# Altium PCB BLDC-2020.PcbDoc (part 2 of 2)
Units mil, origin at the board's own origin, x right, y up, seen from the top; angles counter-clockwise.
Board outline 6000 x 4500 mil, 4 copper layers (Top Layer, GND, Power, Bottom Layer), stack 26.468 mil thick; 199 components, 140 nets, 710 pads, 654 vias.
Unrouted connection lines stored in the file: 245.
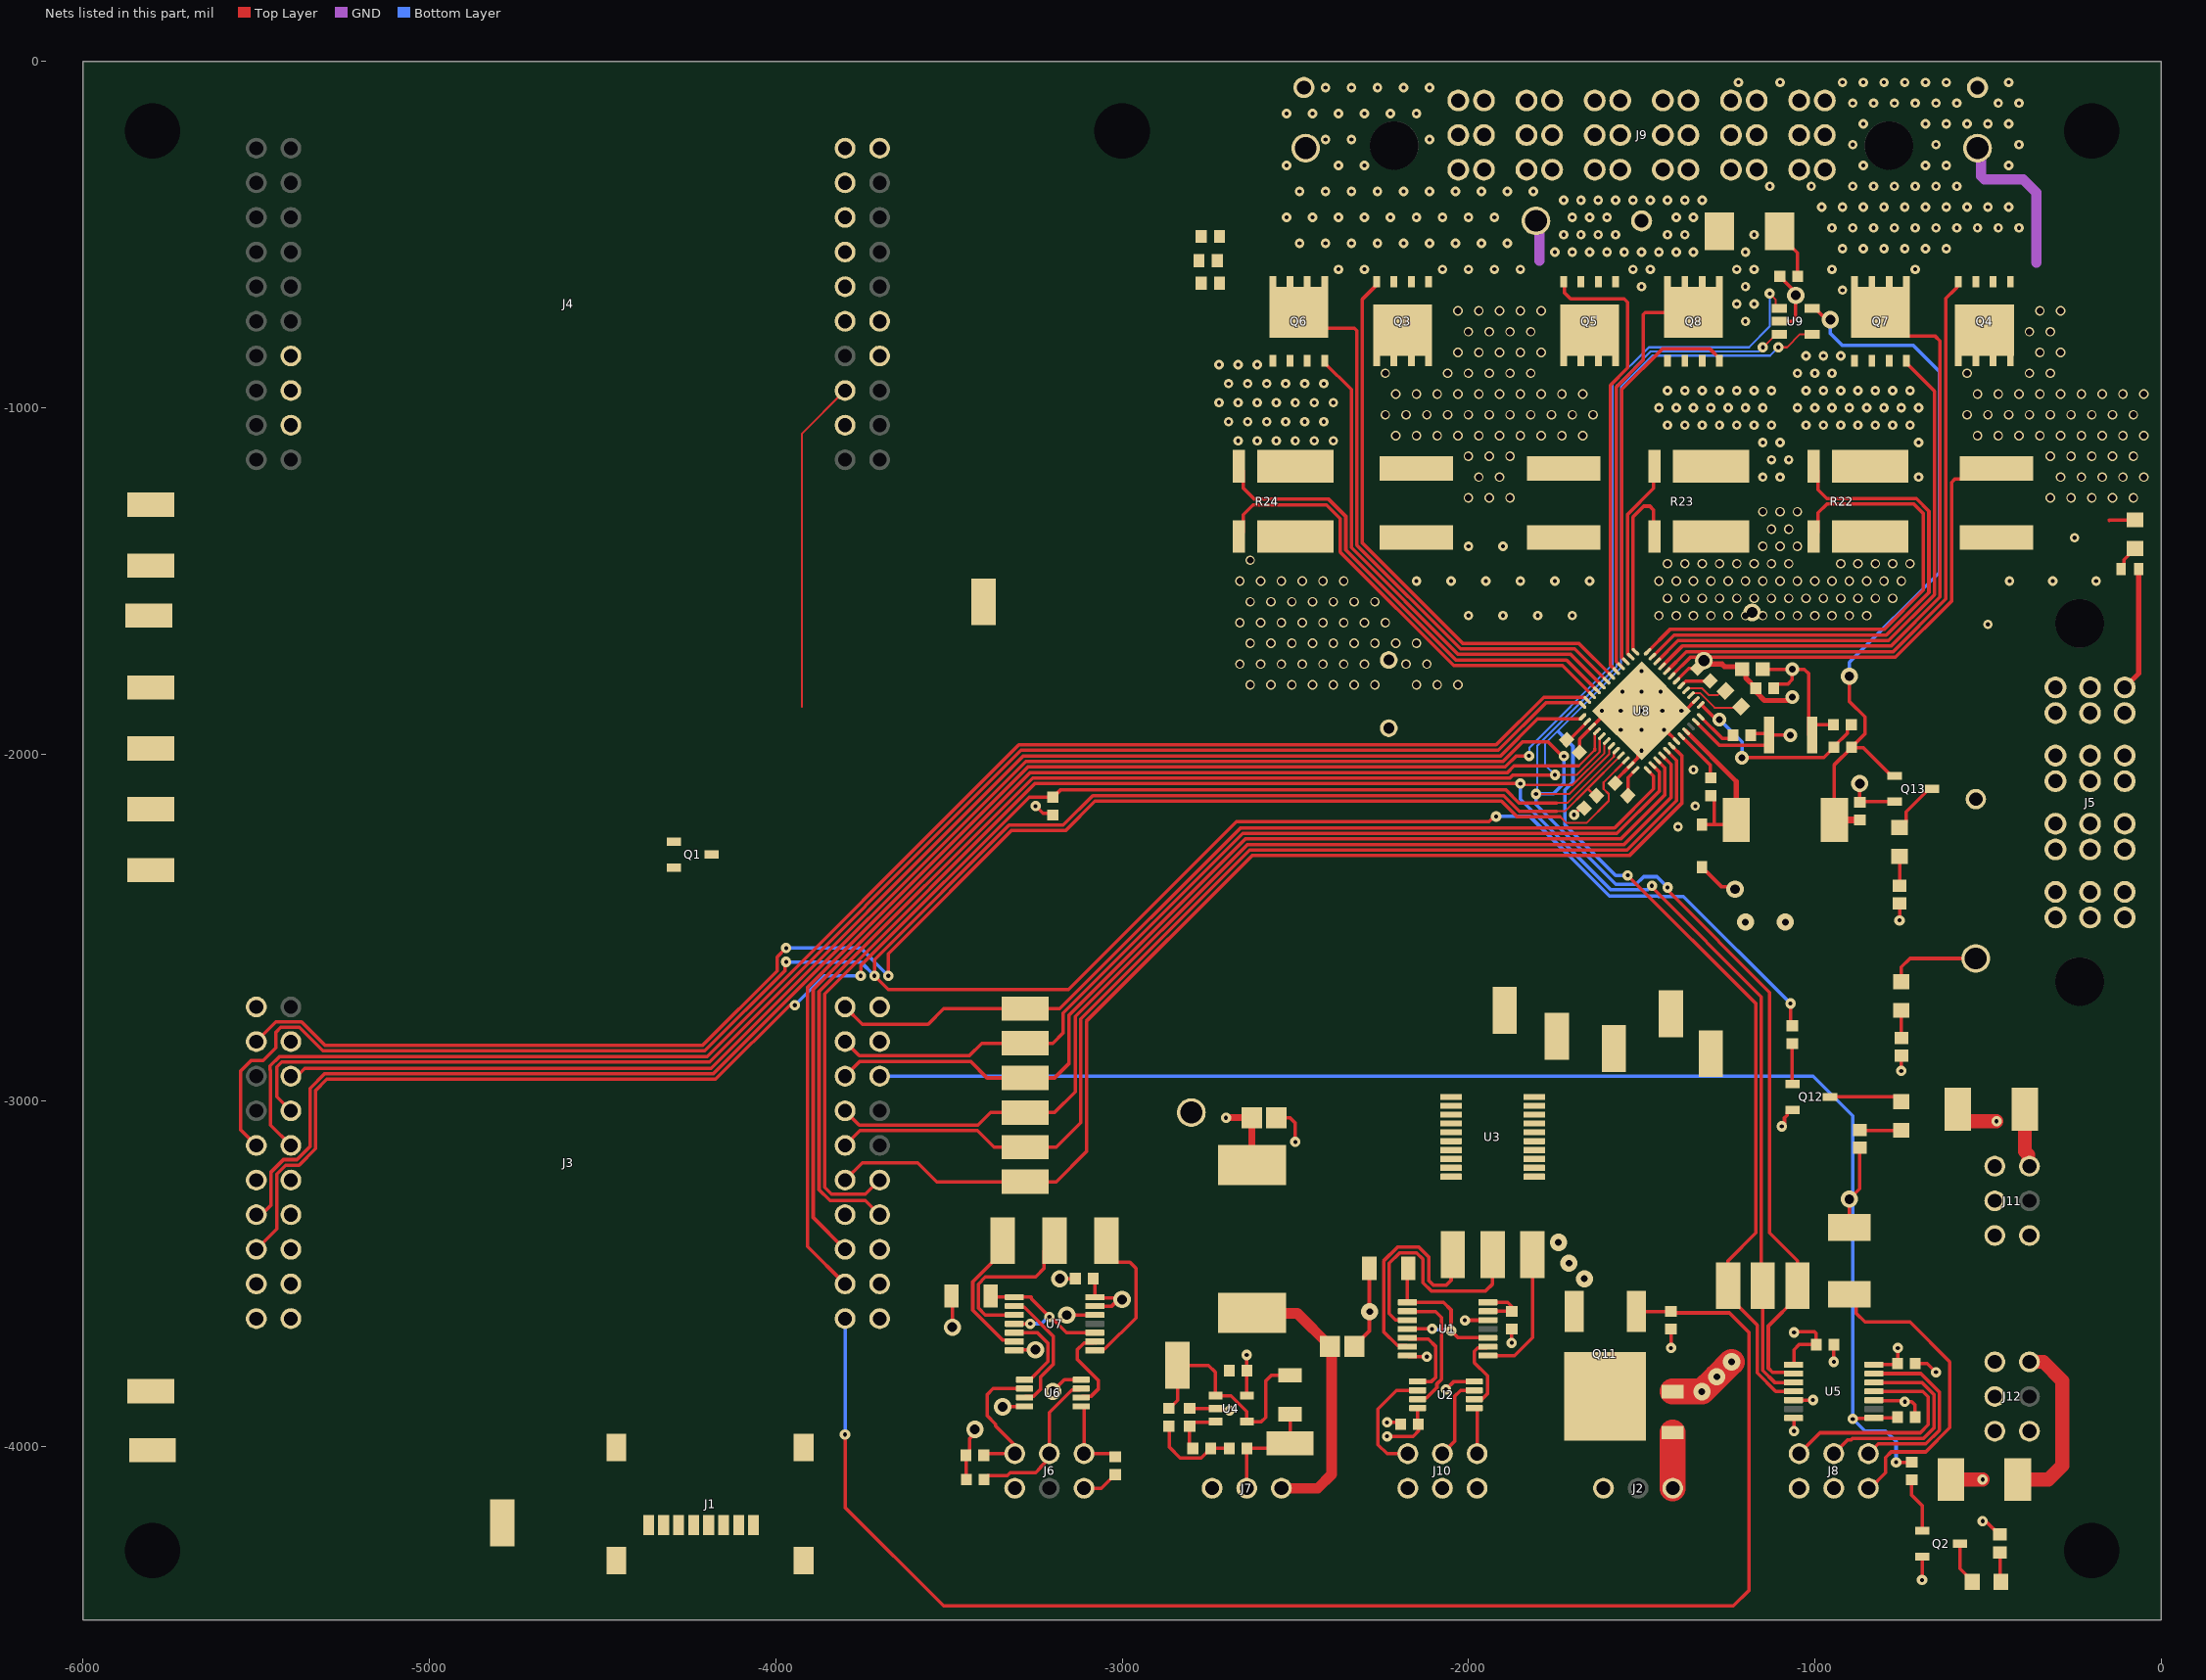
[diagram p4: the nets of this part, all layers, seen from the top]

## Part data (continued)
U5: library part CMP-2000-07335-1, "4-Bit Bidirectional Voltage-Level Translator with Automatic Direction Sensing and +/- 15-kV ESD Protection, -40 to 85 degC, 14-Pin TSSOP (PW), Green (RoHS & Sb/Br), Tape and Reel", Manufacturer="Texas Instruments", Operating Temperature=-40°C~85°C, Package / Case="14-TSSOP(0.173\",4.40mmWidth)", Package Description="14-Pin Thin Shrink Small Outline Package, Body 5 x 4.4 mm, Pitch 0.65 mm", Package Reference=PW14, Standard Package=1, Supplier Device Package=14-TSSOP, Voltage - Supply=1.2V~3.6V,1.65V~5.5V, Category=IntegratedCircuits(ICs), Data Rate=100Mbps, Datasheet URL=http://www.ti.com/general/docs/lit/getliterature.tsp?genericPartNumber=TXB0104&fileType=pdf, Datasheet Version="Rev. G, 11/2014", Differential - Input=Output:No/No, Dynamic Catalog=TXBSeries, Family=Logic-Translators, Input Type=Logic, Logic Function=Translator,Bidirectional, Manufacturer URL=http://www.ti.com/, Mounting Technology=SurfaceMount, Number of Bits=4, Number of Channels=4, Number of Outputs/Channel=1, Other Names=296-21929-6, Output Type=Logic, Packaging=Digi-Reel®, Product Training Modules=VoltageLevelTranslation, Propagation Delay (Max)=4ns, Series=-
U8: "IC 3PHASE GATE DRIVER 48VQFN", Manufacturer="Texas Instruments", Max Operating Temperature=125°C, Min Operating Temperature=-40°C, ComponentLink1Description=http://www.ti.com/lit/ds/symlink/drv8323r.pdf?src-supplier=Digi-Key, ComponentLink1URL=http://www.ti.com/lit/ds/symlink/drv8323r.pdf?src-supplier=Digi-Key, Manufacturer 2="Texas Instruments", Manufacturer Part Number=DRV8323RSRGZR, Manufacturer Part Number 2=DRV8323RSRGZR, Pricing 1="1=4.44, 10=3.991, 100=3.2698, 500=2.78356, 1000=2.34758 (USD)", Pricing 2="1=4.44000, 10=3.99100, 100=3.26980, 500=2.78356, 1000=2.34758 (USD)", RoHS=No, Stock 1=5951, Stock 2=7391, Supplier 1=Digi-Key, Supplier 2=Digi-Key
U9: library part CMP-0192-00172-1, "Thermal Sensor with SPI Interface, 5-Pin SOT-23, -55°C to +125°C Temperature, Tape and Reel", Code_IPC=SOT23-5, DatasheetVersion="revA, Aug-2002", PackageDescription="5-Lead Plastic Small Outline Transistor (CT) [SOT-23]", PackageReference=SOT-23-CT5, PackageVersion="revBB, Aug-2009"
U10: library part CMP-0323-00512-3, "Buck Inverting Buck-Boost Step Down Regulator with 3.5 to 60 V Input and 0.8 to 58 V Output, -40 to 150 degC, 10-Pin MSOP-PowerPAD (DGQ), Green (RoHS & no Sb/Br)", Manufacturer="Texas Instruments", Rating=Catalog, Switch Current Limit(Typ)(A)=3.5, ClassName="5V Regulator", Code_JEDEC=MO-187-BA-T, ComponentLink1Description=Datasheet, ComponentLink1URL=http://www.ti.com/general/docs/lit/getliterature.tsp?genericPartNumber=TPS54260&fileType=pdf, ComponentLink2Description="Package Specification", ComponentLink2URL=http://www.ti.com/lit/ml/mpds043e/mpds043e.pdf, ComponentLink3Description="URL Link1", ComponentLink3URL="Samples URL:http://www.ti.com/product/tps54260#samples", DatasheetVersion=SLVSA86A, Duty Cycle(Max)(%)=98, Eco-Plan="Green (RoHS & no Sb/Br)", Iout(Max)(A)=2.5, Iq(Typ)(mA)=0.138, Mounting Technology="Surface Mount", PackageDescription="10-Pin PowerPAD Plastic Small Outline 0.5 mm Pitch, Exposed Pad", PackageReference=DGQ0010D, PackageVersion="revF, Nov-2011", PartNumber=TPS54260DGQR, Regulated Outputs(#)=1, SubFamily="Step-Down Regulator", Topology="Buck, Inverting Buck-Boost", Vin(Max)(V)=60, Vin(Min)(V)=3.5, Vout(Max)(V)=58, Vout(Min)(V)=0.8

## Free pads (board coordinates)
  round 150 hole 160: 5(-5800,-4300) 5(-5800,-200) 5(-3000,-200) 5(-200,-4300) 5(-200,-200)

## Via types
v1: diameter 27.56, hole 11.81, Top Layer to Bottom Layer, 273 vias
v2: diameter 27.56, hole 19.68, Top Layer to Bottom Layer, 223 vias
v3: diameter 27.56/27.56/27.56/27.56 (per signal layer), hole 19.68, Top Layer to Bottom Layer, 59 vias
v4: diameter 30, hole 11.81, Top Layer to Bottom Layer, 48 vias
v5: diameter 50, hole 28, Top Layer to Bottom Layer, 15 vias
v6: diameter 27.56/27.56/27.56/27.56 (per signal layer), hole 11.81, Top Layer to Bottom Layer, 12 vias
v7: diameter 50, hole 19.68, Top Layer to Bottom Layer, 9 vias
v8: diameter 30, hole 11.8, Top Layer to Bottom Layer, 5 vias
v9: diameter 19.68, hole 7.87, Top Layer to Bottom Layer, 5 vias
v10: diameter 40, hole 19.68, Top Layer to Bottom Layer, 5 vias

## Nets (pads, with @x,y where several pads share a name; then routed paths per layer and width w, separated by ;. In a path a pad name is that pad's centre, name@x,y a point inside that pad or via, vN(x,y) a via of type N, cw(c..) or ccw(c..) an arc to the next point about the centre after c; other vN are vias at no path point)
3.3V: C1.2 C3.2 C5.1 C6.2 C10.2 C12.2 C21.2 C22.2 C26.2 C36.2 J1.4 J3.1 L2.2 L3.1 Q9.3 Q13.G R5.2 R6.2 R7.2 R19.2 R20.2 R21.2 R30.2 R35.1 R47.2 R48.2 TP43.1 U1.13 U1.14 U3.2 U4.5 U5.1 U7.13 U7.14 U8.26 U9.5 | length 3225.7
  Top Layer w10: v4(-3250,-2150) -3228.79,-2171.21 -3204.38,-2171.21 R19.2@-3200,-2175.59 ; C12.2@-3085,-3510 -3078.86,-3516.14 U7.14@-3078.86,-3568.23 -3077.13,-3569.96 -3005.04,-3569.96 v5(-3000,-3575) -3010.82,-3575 -3029.64,-3593.82 U7.13@-3078.86,-3593.82 ; v4(-2640,-3735) -2640,-3779.41 C5.1@-2639.41,-3780 -2639.72,-3780.31 U4.5@-2639.72,-3852.6 ; U1.13@-1943.86,-3608.82 C1.2@-1876.58,-3608.82 ; U1.14@-1943.86,-3583.23 -1886.77,-3583.23 -1875.59,-3594.41 -1875.59,-3608.82 C1.2@-1875,-3609.41 ; C21.2@-1716.19,-1958.81 -1709.09,-1958.81 U8.26@-1656.59,-1906.32 ; U5.1@-1061.14,-3763.23 -1060,-3762.09 -1060,-3720 -1045,-3705 C10.2@-995.59,-3705 -995.59,-3673.27 -1001.45,-3667.41 -1057.41,-3667.41 v4(-1060,-3670) ; U9.5@-1007.76,-712.6 -998.9,-712.6 -974.15,-737.35 -962.65,-737.35 v5(-955,-745) ; L2.2@-943.27,-2190 -943.27,-2030.43 R30.2@-893.82,-1980.98 ; v5(-900,-1775) -900,-1847.91 -855,-1892.91 -855,-1941.18 R30.2@-893.82,-1980 R30.2@-893.82,-1980.98 ; Q13.G@-769.13,-2062.6 -777.99,-2062.6 -859.61,-1980.98 R30.2@-893.82,-1980.98
  Top Layer w20: v4(-2700,-3050) C36.2@-2625.87,-3050 -2625.87,-3185.55 L3.1@-2625,-3186.42 ; L2.2@-943.27,-2190 C26.2@-870,-2190
  Bottom Layer w10: v5(-955,-745) -955,-785 -920,-820 -715,-820 -640,-895 -640,-1475 -900,-1735 v5(-900,-1775)
  other v7: -1200,-2485 -1085,-2485
5V: C2.2 C4.2 C9.2 C11.2 C27.2 C28.2 F1.2 F2.2 F3.2 F4.2 J6.1 J10.1 L1.2 R2.2 R10.2 R14.2 R15.2 R16.2 R27.2 R29.2 R36.2 R37.2 R39.2 R40.2 TP42.1 U2.8 U3.19 U5.14 U6.8 | length 1442.7
  Top Layer w10: R15.2@-3450,-4095 -3450.59,-4094.41 R16.2@-3450.59,-4025 -3439.84,-4014.25 -3439.84,-3975.67 -3425,-3960.82 v5(-3425,-3950) ; v5(-3345,-3885) -3344.19,-3884.19 -3282.5,-3884.19 U6.8@-3281.69,-3883.39 ; J6.1@-3110,-4120 -3060.39,-4120 -3020.98,-4080.59 R14.2@-3020,-4080.59 ; v4(-2235,-3970) -2160,-3970 -2144.41,-3954.41 C2.2@-2144.41,-3935 -2146.69,-3932.72 U2.8@-2146.69,-3888.39 U2.8@-2145,-3890.08 ; F2.2@-900,-3366.69 v5(-900,-3285) -870,-3255 R39.2@-870,-3136.18 ; U5.14@-828.86,-3763.23 -763.82,-3763.23 C9.2@-760.59,-3760 -760,-3759.41 v4(-760,-3715) ; v4(-755,-2480) R36.2@-755,-2431.18 ; v4(-750,-2915) R37.2@-750,-2870.59 ; v4(-515,-4215) -511.17,-4218.83 -501.96,-4218.83 -466.97,-4253.82 R10.2@-465,-4253.82
  Top Layer w40: F4.2@-606.65,-4095 v4(-515,-4095) ; F3.2@-586.65,-3025 -586.65,-3041.42 -568.07,-3060 v4(-475,-3060)
  Top Layer w75: F1.2@-1410,-3840.94 v7(-1325.94,-3840.94) v7(-1282.97,-3797.97) v7(-1240,-3755)
AGND: C1.1 C2.1 C3.1 C4.1 C5.2 C6.1 C7.1 C9.1 C10.1 C11.1 C12.1 C15.1 C16.1 C17.1 C18.1 C19.1 C20.1 C21.1 C22.1 C25.1 C26.1 C27.1 C28.1 C29.1 C30.1 C31.1 C32.1 C33.1 C34.2 C35.2 C36.1 C37.1 C38.1 C39.1 C40.1 D2.2 D3.1 D4.2 D5.2 D6.2 J1.6 J1.Shield J5.P1-1 J5.P1-2 J5.P1-3 J5.P1-4 J5.P1-5 J5.P1-6 J5.P2-1 J5.P2-2 J5.P2-3 J5.P2-4 J5.P2-5 J5.P2-6 J6.3 J7.3 J8.3 J10.3 J11.3 J12.3 LED6.1 LED7.1 Q1.S Q2.S Q9.1 Q10.3 Q11.3 Q12.S Q13.S R1.1 R4.1 R12.1 R17.1 R18.1 R22.3 R23.3 R24.3 R25.2 R26.1 R31.1 R32.1 R34.1 R42.1 R46.2 R49.1 R51.1 R53.1 R55.1 TP39.1 TP40.1 TP41.1 TP44.1 TP45.1 TP47.1 U1.7 U1.12 U2.4 U3.11 U4.2 U5.5 U5.7 U5.10 U6.4 U7.7 U7.12 U8.2 U8.27 U8.35 U8.43 U8.49 U9.2 U10.9 U10.11 | length 4426.9
  Top Layer w10: R17.1@-3492.2,-3565 -3490,-3567.2 v5(-3490,-3655) ; U7.7@-3311.14,-3721.77 -3310.26,-3720.89 -3250.89,-3720.89 v5(-3250,-3720) ; v5(-3200,-3840) -3166.61,-3806.61 U6.4@-3118.31,-3806.61 ; v5(-3180,-3515) C12.1@-3135,-3515 ; v5(-3160,-3620) -3155,-3620 -3154.41,-3619.41 U7.12@-3078.86,-3619.41 ; C7.1@-2805,-3889.41 -2804.41,-3890 U4.2@-2730.28,-3890 -2727.78,-3892.5 -2692.5,-3892.5 v4(-2690,-3895) ; C5.2@-2690.59,-3780 C5.2@-2685,-3785.59 ; C36.1@-2555,-3050 -2515,-3050 -2500,-3065 v4(-2500,-3120) ; C37.1@-2329.13,-3710 -2329.13,-3709.02 -2286.1,-3665.99 R1.1@-2286.1,-3485 ; v4(-2235,-3930) -2200.59,-3930 C2.1@-2195.59,-3935 ; U1.7@-2176.14,-3736.77 -2172.91,-3740 v4(-2120,-3740) ; v4(-2065,-3835) -2041.61,-3811.61 U2.4@-1983.31,-3811.61 ; v4(-2010,-3635) -2009.7,-3634.7 -1944.15,-3634.7 U1.12@-1943.86,-3634.41 ; v4(-1875,-3700) C1.1@-1875,-3660.59 ; v4(-1695,-2175) -1676.19,-2156.19 R18.1@-1666.19,-2156.19 ; C21.1@-1680,-1995 -1679.3,-1994.3 -1679.3,-1956.87 -1618.28,-1895.84 -1541.69,-1895.84 U8.49@-1520.84,-1875 ; C20.1@-1576.19,-2083.81 -1576.19,-2076.47 U8.35@-1531.32,-2031.59 -1531.32,-2031.48 -1510,-2010.16 -1510,-1930 -1510,-1905.84 U8.49@-1500,-1895.84 ; v4(-1415,-3715) R42.1@-1415,-3660.59 ; U8.43@-1399.08,-1962 -1432.5,-1928.58 -1432.5,-1914.62 -1451.28,-1895.84 U8.49@-1500,-1895.84 ; U8.2@-1343.41,-1843.68 -1343.52,-1843.68 -1374.84,-1875 v1(-1385,-1875) v1(-1440,-1875) -1479.16,-1875 U8.49@-1500,-1895.84 ; D2.2@-1325,-2327.01 -1325,-2329.96 -1315.24,-2339.73 -1312.28,-2339.73 -1269.66,-2382.35 -1237.65,-2382.35 v5(-1230,-2390) ; C15.1@-1150.47,-1755 v10(-1065,-1755) ; C16.1@-1118.82,-1810 -1118.82,-1809.02 -1108.07,-1798.27 -1078.27,-1798.27 -1065,-1785 v10(-1065,-1755) ; U9.2@-1102.24,-750 -1065,-750 -1055,-740 v5(-1055,-675) -1055,-666.57 -1100.59,-620.98 R25.2@-1100.59,-620 ; v8(-1095,-3075) -1087.35,-3067.35 -1087.35,-3050.61 -1079.8,-3043.07 -1079.8,-3034.21 -1072.99,-3027.4 Q12.S@-1064.13,-3027.4 ; U5.7@-1061.14,-3916.77 -1060,-3917.91 v4(-1060,-3955) ; U5.5@-1061.14,-3865.59 -1060.85,-3865.3 -1005.3,-3865.3 v4(-1005,-3865) ; C25.1@-1017.99,-1945 -1017.99,-1767.01 -1030,-1755 v10(-1065,-1755) ; C25.1@-1007.99,-1945 -1007.99,-1924.76 -998.23,-1915 R34.1@-945.59,-1915 ; v4(-945,-3755) -945,-3705.59 C10.1@-944.41,-3705 ; v5(-870,-2085) C26.1@-870,-2138.82 -868.58,-2137.4 Q13.S@-769.13,-2137.4 ; U5.10@-828.86,-3865.59 -826.65,-3867.8 -742.2,-3867.8 v4(-740,-3870) -720,-3870 -710.86,-3879.14 -710.86,-3913.55 R12.1@-709.41,-3915 ; LED6.1@-750,-2657.32 -750,-2615 -725,-2590 TP47.1@-535,-2590 ; C9.1@-709.41,-3760 -675,-3760 v4(-650,-3785) ; v4(-690,-4385) -690,-4318.27 Q2.S@-689.13,-4317.4 ; -150,-1325 -148.66,-1323.66 LED7.1@-75,-1323.66 LED7.1@-84.65,-1314.02
  GND w30: TP40.1@-1805,-460 -1795,-470 -1795,-575 ; TP41.1@-530,-250 -519.92,-260.08 -519.92,-330.08 -509.78,-340.22 -398.09,-340.22 -360,-378.31 -360,-580
  other v1: -6900,-4600 -6800,-4600 -6700,-4600 -6950,-4500 -6850,-4500 -6750,-4500 -6650,-4500 -7000,-4400 -6900,-4400 -1395,-2210 -1345,-2150 -1350,-2045 -1500,-1990 -1560,-1930 -1500,-1930 -1435,-1930 -1615,-1875 -1560,-1875 -1500,-1875 -1555,-1820 -1500,-1820 -1445,-1820 -1500,-1760 -500,-1625 -437.5,-1500 -312.5,-1500 -187.5,-1500 -250,-1375
  other v2: -2630,-1800 -2570,-1800 -2510,-1800 -2450,-1800 -2390,-1800 -2330,-1800 -2270,-1800 -2150,-1800 -2090,-1800 -2030,-1800 -2660,-1740 -2600,-1740 -2540,-1740 -2480,-1740 -2420,-1740 -2360,-1740 -2300,-1740 -2180,-1740 -2120,-1740 -2630,-1680 -2570,-1680 -2510,-1680 -2450,-1680 -2390,-1680 -2330,-1680 -2270,-1680 -2210,-1680 -2150,-1680 -2660,-1620 -2600,-1620 -2540,-1620 -2480,-1620 -2420,-1620 -2360,-1620 -2300,-1620 -2240,-1620 -1450,-1600 -1400,-1600 -1350,-1600 -1300,-1600 -1250,-1600 -1200,-1600 -1150,-1600 -1100,-1600 -1050,-1600 -1000,-1600 -950,-1600 -900,-1600 -850,-1600 -2630,-1560 -2570,-1560 -2510,-1560 -2450,-1560 -2390,-1560 -2330,-1560 -2270,-1560 -1425,-1550 -1375,-1550 -1325,-1550 -1275,-1550 -1225,-1550 -1175,-1550 -1125,-1550 -1075,-1550 -1025,-1550 -975,-1550 -925,-1550 -875,-1550 -825,-1550 -775,-1550 -2660,-1500 -2600,-1500 -2540,-1500 -2480,-1500 -2420,-1500 -2360,-1500 -1450,-1500 -1400,-1500 -1350,-1500 -1300,-1500 -1250,-1500 -1200,-1500 -1150,-1500 -1100,-1500 -1050,-1500 -1000,-1500 -950,-1500 -900,-1500 -850,-1500 -800,-1500 -750,-1500 -1425,-1450 -1375,-1450 -1325,-1450 -1275,-1450 -1225,-1450 -1175,-1450 -1125,-1450 -1075,-1450 -925,-1450 -875,-1450 -825,-1450 -775,-1450 -725,-1450 -2630,-1440 -1150,-1400 -1100,-1400 -1050,-1400 -1125,-1350 -1075,-1350 -1150,-1300 -1100,-1300 -1050,-1300
  other v6: -2000,-1600 -1900,-1600 -1800,-1600 -1700,-1600 -2150,-1500 -2050,-1500 -1950,-1500 -1850,-1500 -1750,-1500 -1650,-1500 -2000,-1400 -1900,-1400
  other v7: -2285,-3610 -1665,-3515 -1710,-3470 -1740,-3410
  other v9: -2715.43,-9655.89 -2668.18,-9655.89 -2691.8,-9638.17 -2715.43,-9620.46 -2668.18,-9620.46
CAL: J3.2 R26.2 R43.1 U8.34 | length 4578.6
  Top Layer w6: -1735,-2181 -1717,-2199 -1659,-2199 -1595,-2135 -1595,-2115 -1609.54,-2100.46 -1609.54,-2081.98 U8.34@-1545.24,-2017.67
  Top Layer w10: J3.2@-5500,-2830 -5443,-2773 -5369.37,-2773 -5301.37,-2841 -4211.36,-2841 -3996,-2625.64 -3996,-2586 v4(-3970,-2560) ; v4(-3675,-2640) -3675,-2576.17 -3319.83,-2221 -3163.37,-2221 -3078.03,-2135.66 -1904.59,-2135.66 -1859.25,-2181 -1735,-2181
  Bottom Layer w10: v4(-3970,-2560) -3755,-2560 v4(-3675,-2640)
Chan_A: J4.39 TP2.1 U1.6 | length 670.7
  Top Layer w10: U1.6@-2176.14,-3711.18 -2180,-3707.32 -2205.24,-3707.32 -2245,-3667.56 -2245,-3463.78 -2205.22,-3424 -2142.58,-3424 -2115,-3451.58 -2115,-3520 -2101,-3534 -2064,-3534 -2050,-3520 -2050,-3450 TP2.1@-2045,-3445
Chan_A_Raw: J10.5 U2.3 | length 243.6
  Top Layer w10: J10.5@-2075,-4020 -2040,-3985 -2040,-3855 -2022.91,-3837.91 -1984.02,-3837.91 U2.3@-1983.31,-3837.2
Chan_B: J4.38 TP3.1 U1.8 | length 390.3
  Top Layer w10: U1.8@-1943.86,-3736.77 -1866.77,-3736.77 -1815,-3685 TP3.1@-1815,-3445
Chan_B_Raw: J10.6 U2.6 | length 352.4
  Top Layer w10: J10.6@-2160,-4020 J10.6@-2175,-4020 -2235,-4020 -2261,-3994 -2261,-3891 -2207.2,-3837.2 U2.6@-2146.69,-3837.2 U2.6@-2145.98,-3837.91
CS_DRV: J3.8 R19.1 U8.32 | length 4768.7
  Top Layer w6: -1746,-2141 -1714.03,-2141 -1580.08,-2007.05 -1580.08,-1996.83 U8.32@-1573.08,-1989.84
  Top Layer w10: J3.8@-5500,-3430 -5441,-3371 -5441,-3213.02 -5414.98,-3187 -5376.39,-3187 -5329,-3139.61 -5329,-2971.63 -5296.37,-2939 -4173.6,-2939 -3959.6,-2725 v4(-3945,-2725) ; v4(-3755,-2640) -3754.09,-2639.09 -3754.09,-2610 -3268.09,-2124 -3200.41,-2124 R19.1@-3200,-2124.41 -3199.02,-2124.41 -3178.27,-2103.66 -1891.34,-2103.66 -1854,-2141 -1746,-2141
  Bottom Layer w10: v4(-3945,-2725) -3860,-2640 v4(-3755,-2640)
CS_SD: J1.2 J3.11 R5.1 R44.2
CS_TEMP: J3.32 R20.1 U9.1 | length 5108
  Top Layer w6: v4(-1130,-670) -1113.03,-686.97 -1113.03,-702.8 -1103.23,-712.6 U9.1@-1102.24,-712.6
  Top Layer w10: J3.32@-3800,-3530 -3908,-3422 -3908,-2673.4 -3271.6,-2037 -1893.57,-2037 -1861.57,-2005 v4(-1825,-2005)
  Bottom Layer w6: v4(-1825,-2005) -1823.88,-2003.88 -1823.88,-1981 -1584,-1741.12 -1584,-930.06 -1478.94,-825 -1190,-825 -1130,-765 v4(-1130,-670)
Enable: J3.5 R18.2 R45.1 TP28.1 U8.33 | length 7983.4
  Top Layer w6: -1745,-2165 -1721.06,-2165 -1655.53,-2099.47 ; R18.2@-1630,-2120 -1635,-2120 -1655.53,-2099.47 ; U8.33@-1559.16,-2003.75 -1559.81,-2003.75 -1655.53,-2099.47
  Top Layer w10: J3.5@-5500,-3130 -5545,-3085 -5545,-2915 -5515,-2885 -5480,-2885 -5443.49,-2848.49 -5443.49,-2803.49 -5429,-2789 -5376,-2789 -5308,-2857 -4204.73,-2857 -3973.83,-2626.09 -3973.83,-2603.83 v4(-3970,-2600) ; v8(-1920,-2180) -1925.41,-2180 -1940.41,-2195 -2670,-2195 -3155,-2680 -3675,-2680 v4(-3715,-2640) -3715,-2593.54 -3326.46,-2205 -3170,-2205 -3084.66,-2119.66 -1897.97,-2119.66 -1852.63,-2165 -1745,-2165 ; v8(-1070,-2720) -1070,-2779.41 R45.1@-1065,-2784.41
  Bottom Layer w10: v4(-3970,-2600) -3755,-2600 v4(-3715,-2640) ; v8(-1920,-2180) -1822.63,-2180 -1592.63,-2410 -1452.62,-2410 -1451.62,-2411 -1379,-2411 v8(-1070,-2720)
EXT_SPI_CLK: J8.4 U5.13 | length 554.2
  Top Layer w10: J8.4@-845,-4020 -816.86,-3991.86 -679.23,-3991.86 -640,-3952.63 -640,-3842.37 -693.55,-3788.82 U5.13@-828.86,-3788.82
Ext_SPI_EN: J3.18 R12.2 R13.1 U5.8 | length 4121.3
  Top Layer w10: v4(-890,-3920) -888.39,-3918.39 -830.47,-3918.39 U5.8@-828.86,-3916.77 -762.36,-3916.77 R12.2@-760.59,-3915 ; v4(-765,-4045) -720.59,-4045 R13.1@-720,-4044.41
  Bottom Layer w10: J3.18@-3700,-2930 -1005,-2930 -890,-3045 v4(-890,-3920) -855,-3955 -795,-3955 -765,-3985 v4(-765,-4045)
EXT_SPI_MISO: J8.6 U5.11 | length 652.1
  Top Layer w10: J8.6@-1045,-4020 -984.86,-3959.86 -711.23,-3959.86 -694.86,-3959.86 -672,-3937 -672,-3855.63 -687.63,-3840 U5.11@-828.86,-3840
EXT_SPI_MOSI: J8.5 U5.12 | length 603.8
  Top Layer w10: J8.5@-945,-4020 -905,-3980 -895,-3980 -890.86,-3975.86 -685.86,-3975.86 -656,-3946 -656,-3849 -690.59,-3814.41 U5.12@-828.86,-3814.41
"Fan Enable": J3.31 Q11.1 R42.2 | length 4389.2
  Top Layer w10: v4(-3800,-3965) -3800,-4175 -3515,-4460 -1235,-4460 -1190,-4415 -1190,-3670 -1246.48,-3613.52 -1415,-3613.52 R42.2@-1415,-3609.41 -1514.37,-3609.41 Q11.1@-1514.84,-3608.94
  Bottom Layer w10: v4(-3800,-3965) J3.31@-3800,-3630
GHA: Q4.G TP29.1 U8.8 | length 1822.9
  Top Layer w10: U8.8@-1426.92,-1760.16 -1426.81,-1760.16 -1370.65,-1704 -773.49,-1704 -621.66,-1552.17 -621.66,-712.93 -621.66,-684 -594.16,-656.51 -585,-647.34 Q4.G@-585,-635.83
GHB: Q5.G TP30.1 U8.17 | length 1319.5
  Top Layer w10: Q5.G@-1725,-635.83 -1722.44,-638.38 -1722.44,-667.56 -1705,-685 -1550,-685 -1540,-695 -1540,-884.75 -1590,-934.75 -1590,-1743.13 -1573.08,-1760.05 U8.17@-1573.08,-1760.16
GHC: Q3.G TP31.1 U8.18 | length 1649.3
  Top Layer w10: Q3.G@-2265,-635.83 -2265,-645 -2306,-686 -2306,-1390.12 -2016.12,-1680 -1681.08,-1680 U8.18@-1587,-1774.08
GLA: Q7.G TP35.1 U8.10 | length 1589.1
  Top Layer w10: U8.10@-1454.76,-1732.33 -1394.44,-1672 -786.75,-1672 -654.31,-1539.57 -654.31,-951.75 -735,-871.06 Q7.G@-735,-864.17
GLB: Q8.G TP36.1 U8.15 | length 1139.2
  Top Layer w10: U8.15@-1545,-1732.09 U8.15@-1545.24,-1732.33 -1545.24,-1732.21 -1557,-1720.45 -1557,-947 -1440,-830 -1302.28,-830 -1275,-857.28 Q8.G@-1275,-864.17
GLC: Q6.G TP37.1 U8.20 | length 1459.3
  Top Layer w10: Q6.G@-2415,-864.17 -2415,-870 -2338,-947 -2338,-1403.37 -2029.37,-1712 -1704.76,-1712 U8.20@-1614.84,-1801.92
GND: J3.20 J3.22 J4.20
"Hall A": J3.19 TP18.1 U7.3 | length 482.7
  Top Layer w10: U7.3@-3311.14,-3619.41 -3395.28,-3619.41 -3415.11,-3599.58 -3415.11,-3530.42 -3394.69,-3510 -3250,-3510 -3225,-3485 -3225,-3435 TP18.1@-3195,-3405
"Hall B": J3.13 TP19.1 U7.6 | length 394.1
  Top Layer w10: TP19.1@-3345,-3405 -3345,-3437.48 -3397.32,-3489.8 -3397.32,-3490 -3431.11,-3523.8 -3431.11,-3606.2 -3344.99,-3692.32 -3315,-3692.32 U7.6@-3311.14,-3696.18
"Hall C": J3.12 TP26.1 U7.8 | length 438
  Top Layer w10: U7.8@-3078.86,-3721.77 -3075,-3717.91 -3049.76,-3717.91 -2960,-3628.16 -2960,-3485 -2977.48,-3467.52 -3014.96,-3467.52 -3045,-3437.48 TP26.1@-3045,-3405
Hall_A_Raw: J6.4 R14.1 U6.1 | length 236.6
  Top Layer w10: U6.1@-3118.31,-3883.39 -3113.86,-3883.39 -3110,-3887.24 J6.4@-3110,-4020 -3029.41,-4020 R14.1@-3020,-4029.41
Hall_B_Raw: J6.5 R15.1 U6.3 | length 468.1
  Top Layer w10: R15.1@-3398.82,-4095 -3398.82,-4094.02 -3388.07,-4083.27 -3331.25,-4083.27 -3322.98,-4075 -3250,-4075 -3234.78,-4059.78 -3234.78,-4058.31 -3210,-4033.53 J6.5@-3210,-4020 -3210,-3901.61 -3144.45,-3836.06 -3122.17,-3836.06 U6.3@-3118.31,-3832.2
Hall_C_Raw: J6.6 R16.1 U6.6 | length 405.3
  Top Layer w10: R16.1@-3399.41,-4025 -3394.41,-4020 J6.6@-3310,-4020 -3310,-3995 -3365,-3940 ; -3365,-3935 -3390,-3910 -3390,-3850 -3372.2,-3832.2 U6.6@-3281.69,-3832.2
"Hi A": J3.40 TP9.1 U8.37 | length 2699.2
  Top Layer w10: J3.40@-3800,-2730 -3750,-2780 -3560,-2780 -3515,-2735 TP9.1@-3280,-2735 -3180,-2735 -2658,-2213 -1578,-2213 -1465,-2100 -1465,-2063.11 U8.37@-1482.6,-2045.51
"Hi B": J3.38 TP11.1 U8.39 | length 2934.3
  Top Layer w10: J3.38@-3800,-2930 -3757,-2887 -3438,-2887 -3390,-2935 TP11.1@-3280,-2935 -3195,-2935 -3154,-2894 -3154,-2754.25 -2644.75,-2245 -1560,-2245 -1433,-2118 -1433,-2039.44 U8.39@-1454.76,-2017.67
"Hi C": J3.36 TP13.1 U8.41 | length 3184.5
  Top Layer w10: J3.36@-3800,-3130 -3757,-3087 -3418,-3087 -3370,-3135 TP13.1@-3280,-3135 -3190,-3135 -3119,-3064 -3119,-2764.51 -2631.49,-2277 -1542,-2277 -1399,-2134 -1399,-2017.76 U8.41@-1426.92,-1989.84
Index: J4.40 TP1.1 U1.3 | length 696.6
  Top Layer w10: U1.3@-2176.14,-3634.41 -2210.59,-3634.41 -2229,-3616 -2229,-3470.41 -2198.59,-3440 -2149.21,-3440 -2131,-3458.21 -2131,-3526.63 -2107.63,-3550 -1950,-3550 -1930,-3530 TP1.1@-1930,-3445
Index_Raw: J10.4 U2.1 | length 137.7
  Top Layer w10: U2.1@-1983.31,-3888.39 -1978.86,-3888.39 -1975,-3892.24 J10.4@-1975,-4020
IO_1: J11.4 U3.20
IO_1_RAW: J3.26 U3.1
IO_2: J11.5 U3.18
IO_2_RAW: J3.27 U3.3
IO_3: J11.6 U3.17
IO_3_RAW: J3.28 U3.4
IO_4: J12.4 U3.16
IO_4_RAW: J3.29 U3.5
IO_5: J12.5 U3.15
IO_5_RAW: J3.30 U3.6
IO_6: J12.6 U3.14
IO_6_RAW: J4.37 U3.7
IO_7: J10.2 U3.13
IO_7_RAW: J4.36 U3.8
IO_8: J8.2 U3.12
IO_8_RAW: J4.35 U3.9
"Low A": J3.39 TP10.1 U8.38 | length 2801.4
  Top Layer w10: J3.39@-3800,-2830 -3759,-2871 -3441,-2871 -3405,-2835 TP10.1@-3280,-2835 -3200,-2835 -3170,-2805 -3170,-2747.63 -2651.37,-2229 -1571.37,-2229 -1449,-2106.63 -1449,-2051.27 U8.38@-1468.68,-2031.59
"Low B": J3.37 TP12.1 U8.40 | length 3053
  Top Layer w10: J3.37@-3800,-3030 -3759,-3071 -3416,-3071 -3380,-3035 TP12.1@-3280,-3035 -3195,-3035 -3135,-2975 -3135,-2757.88 -2638.12,-2261 -1551,-2261 -1415,-2125 -1415,-2029.6 U8.40@-1440.84,-2003.75
"Low C": J3.35 TP14.1 U8.42 | length 3311.7